# Altium PCB Freezer_Controller.PcbDoc (part 1 of 3) (continued)
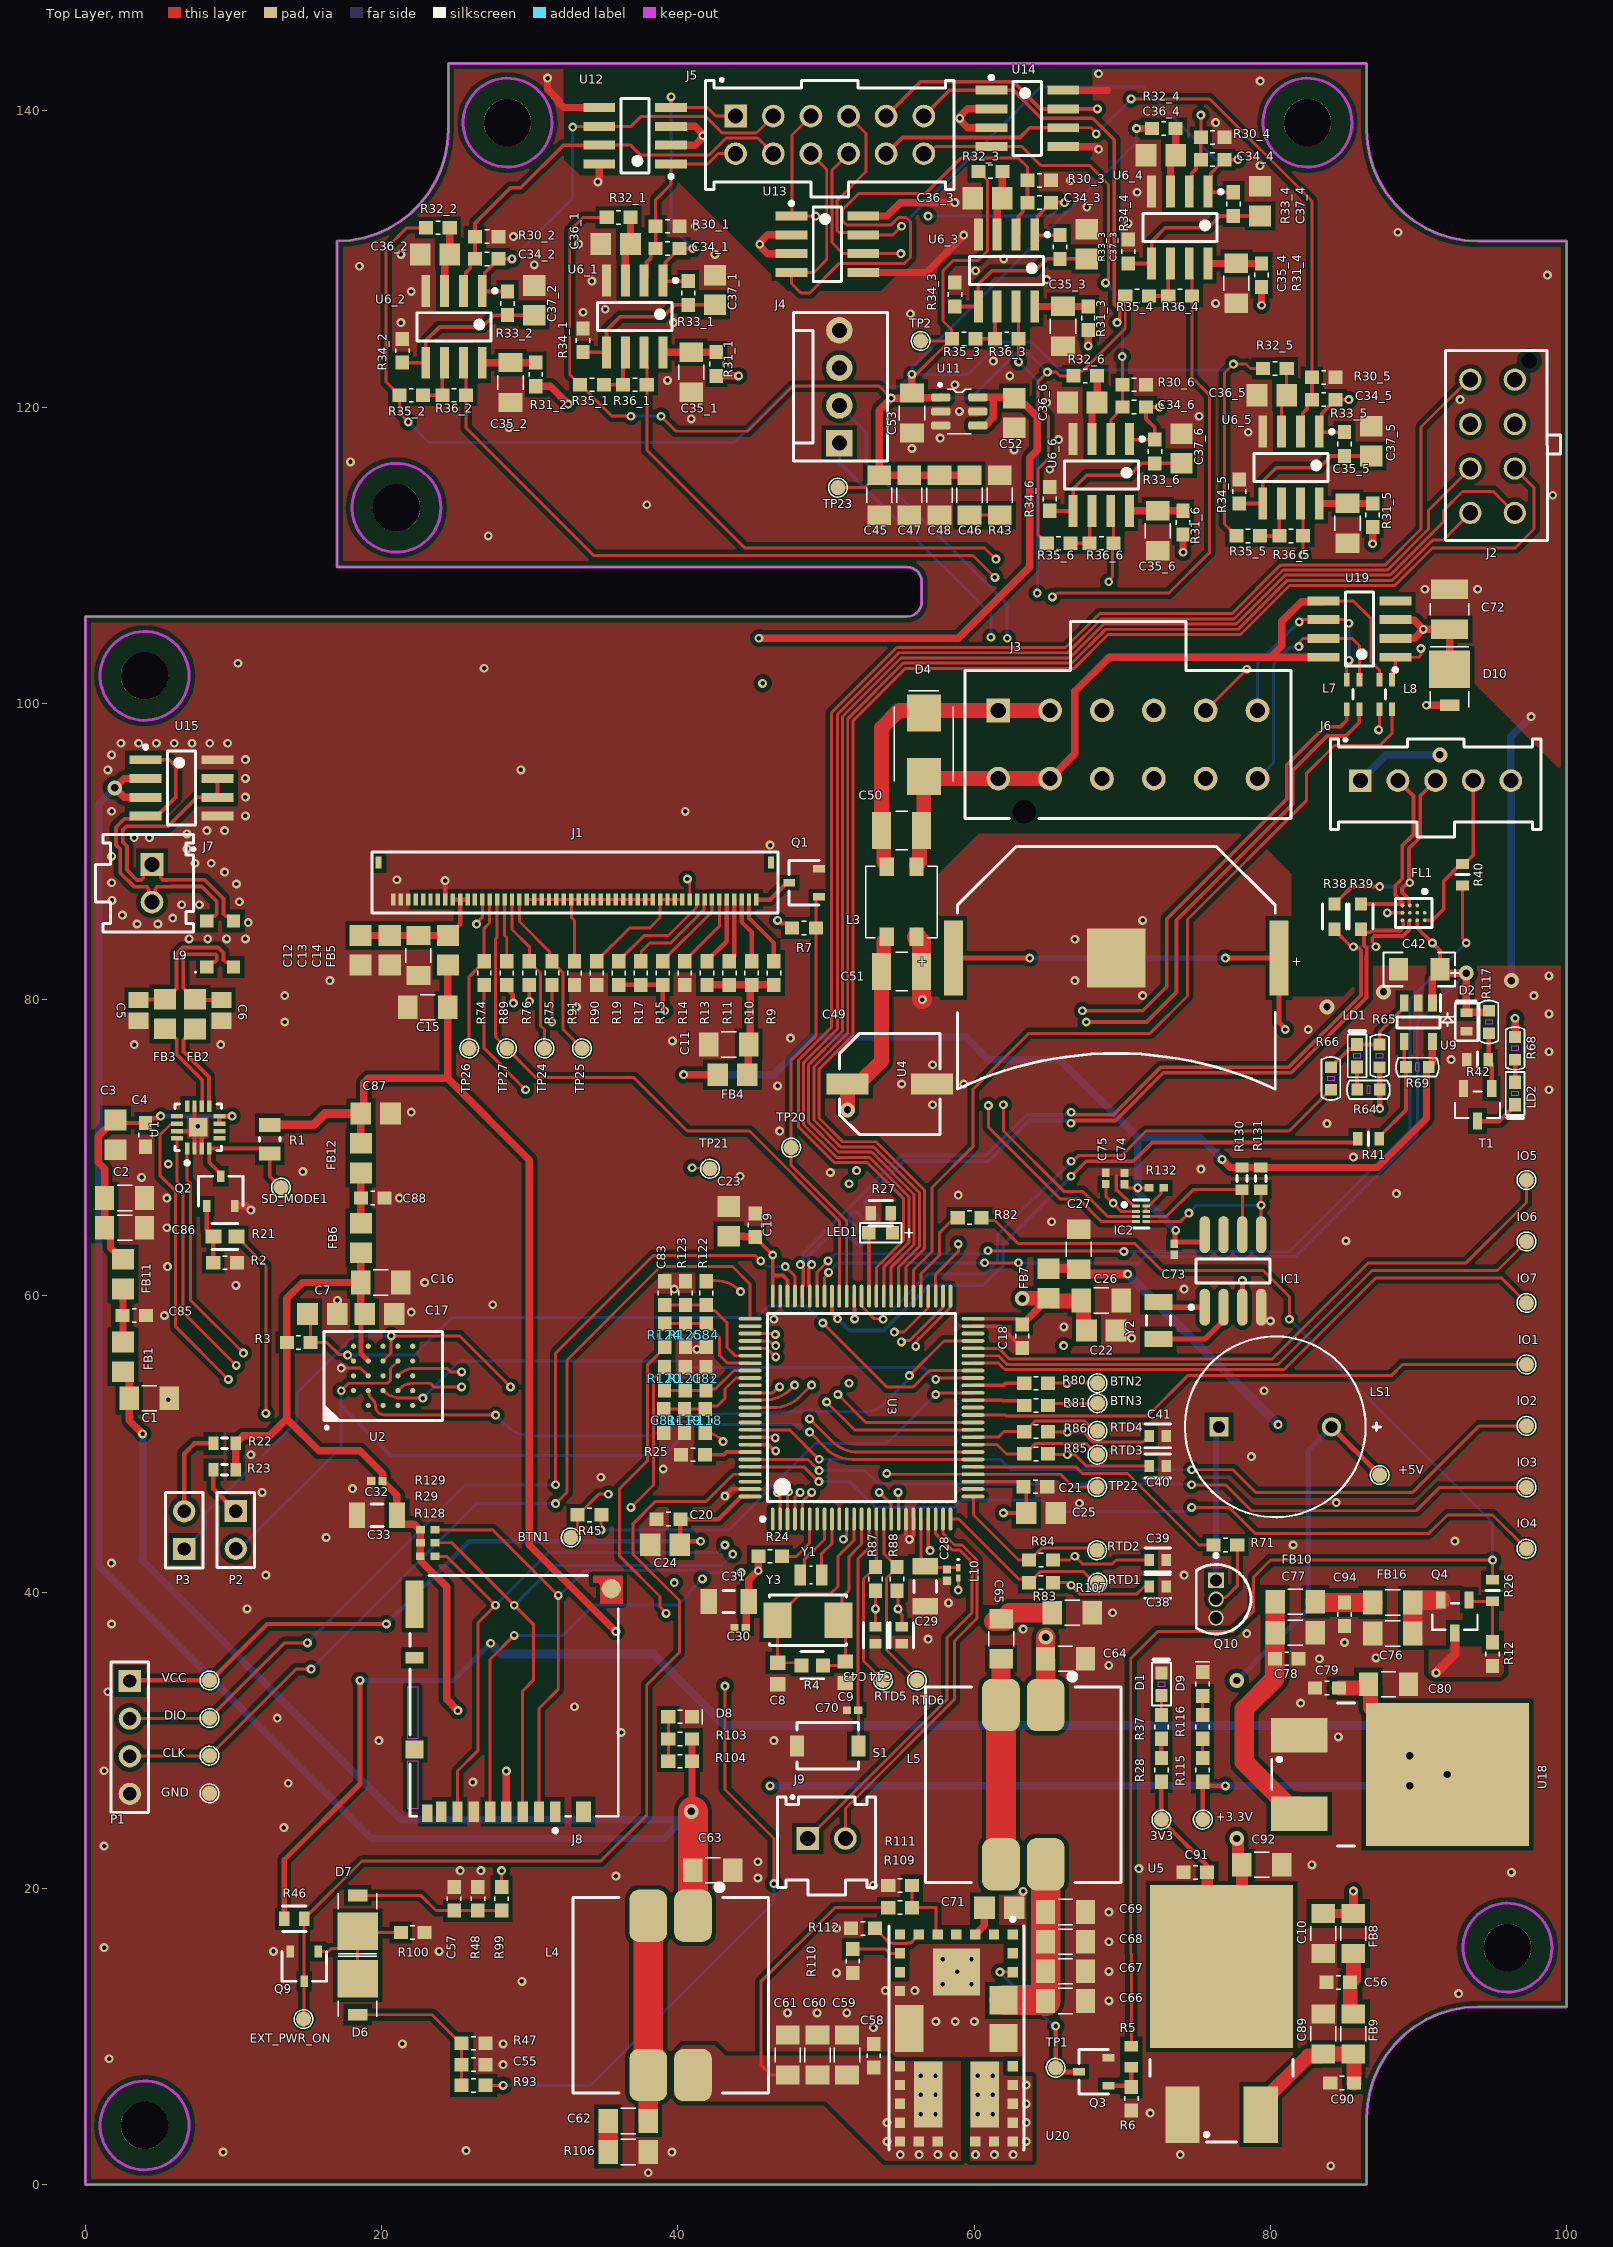
[diagram p0: Top Layer view]
## Components (designator, comment, footprint, x,y, rotation, side; value= is the part's Value field where it differs from the comment) (continued)
GND "2mm" "TEST POINT 40 Mil" 8.382,26.416 r90 top
IC1 "DS1307Z+" S8-2_M 77.47,61.681 r90 top
IC2 "PCA9306DQER" FP-DQE0008A-MFG 71.266,65.528 r0 top
IO1 "2mm" "TEST POINT 40 Mil" 97.282,55.372 r90 top
IO2 "2mm" "TEST POINT 40 Mil" 97.282,51.223 r180 top
IO3 "2mm" "TEST POINT 40 Mil" 97.282,47.075 r180 top
IO4 "2mm" "TEST POINT 40 Mil" 97.282,42.926 r180 top
IO5 "2mm" "TEST POINT 40 Mil" 97.282,67.818 r180 top
IO6 "2mm" "TEST POINT 40 Mil" 97.282,63.669 r180 top
IO7 "2mm" "TEST POINT 40 Mil" 97.282,59.521 r180 top
J1 "FH34SRJ-50S-0.5SH(50)" CONN_HIROSE_FH34SRJ-50S-0.5SH(50) 33.05,87.85 r0 top locked
J2 "MC-254-08-00-ST-DIP" CONN_206832-0823 94.996,117.348 r270 top
J3 "1722982212" CONN_MOLEX_1722982212 70.39,97.215 r0 top locked
J4 "Hdr 4w T/H 0.1\"" CONN_HDR_FRICTION_LOCK_2.54MM_4 50.9,117.56 r90 top
J5 "IPL1-106-01-L-D-K" CONN_SAMTEC_IPL1-106-XX-X-D 50.263,138.383 r0 top
J6 "IPL1-105-01-L-S-K" CONN_SAMTEC_IPL1-105-XX-X-S 91.163,94.538 r0 top locked
J7 "IPL1-102-01-L-S-K" CONN_SAMTEC_IPL1-102-XX-X-S 4.5,87.85 r270 top
J8 "DM3BT-DSF-PEJS" FP-DM3BT-DSF-PEJS-MFG 28.948,32.995 r180 top locked
J9 "IPL1-102-01-L-S-K" CONN_SAMTEC_IPL1-102-XX-X-S 50.038,23.368 r0 top
L3 "2.4A, 55mOhm, 420Ohm@100Mz" CHOKE_SMD_4.7X4.5 55.1,86.6 r90 top
L4 "6.6uH, 3.7A" PLCC300P1250X1250X600-4N 39.51,12.775 r270 top
L5 "6.6uH, 3.7A" PLCC300P1250X1250X600-4N 63.32,27 r270 top
L7 "90R@100Mhz" BOURNS_SRF2012 86,101.6 r270 top
L8 "90R@100Mhz" BOURNS_SRF2012 88.2,101.6 r270 top
L9 "600R@100MHz, 1A" DFN260P320X200-4L 9.1,83.75 r90 top
L10 "BLM03AX121SN1D" 0603#2 58.928,41.302 r270 top
LD1 "Red" 0603D 85.852,76.2 r90 top
LD2 "Green" 0603D 96.52,73.66 r270 top
LED1 "150060GS73220" LED0603 53.69,64.262 r180 top
LS1 "AI-1223-TWT-5V-R" FP-AI-1223-TWT-5V-R-MFG 80.325,51.156 r180 top
P1 "PPTC041LGBN-RC" HDR1X4 3,34 r270 top
P2 "Header 2" HDR1X2 10.16,45.466 r270 top
P3 "Header 2" HDR1X2 6.673,42.909 r90 top
Q1 "DMN67D8L-7" SOT23-3 48.514,87.884 r90 top
Q2 "DMN67D8L-7" SOT23-3 9.144,67.072 r0 top
Q3 "DMN67D8L-7" SOT23-3 68.072,7.62 r90 top
Q4 "BSS308PE-HXY" SOT-23 92.456,38.354 r180 top
Q9 "DMN67D8L-7" SOT23-3 14.775,14.732 r180 top
Q10 "BC547B" ONSC-TO-92-3-29-11 76.327,39.522 r270 top
R1 "CRCW0805634KFKEA" FP-CRCW0805-e3-MFG 12.446,70.571 r270 top
R2 "10k, 1%, 1/10W" 0603#1 9.435,62.23 r0 top
R3 "RT0603DRD0710KL" 0603#1 14.4,56.85 r180 top value=10K
R4 "CRCW06031M00JNEA" FP-CRCW0603-e3-IPC_B 49.069,35.052 r180 top
R5 "10R" RESC1608X55X25NL10T15 70.612,8.636 r270 top
R6 "10k, 1%, 1/10W" 0603#1 70.612,5.804 r270 top
R7 "10k, 1%, 1/10W" 0603#1 48.514,84.836 r180 top
R9 "68R, 1%, 1/10W" 0603#1 46.482,81.788 r90 top
R10 "68R, 1%, 1/10W" 0603#1 44.978,81.788 r90 top
R11 "68R, 1%, 1/10W" 0603#1 43.473,81.788 r90 top
R12 "10k, 1%, 1/10W" 0603#1 94.996,35.814 r90 top
R13 "68R, 1%, 1/10W" 0603#1 41.969,81.788 r90 top
R14 "0R, 1/10W" 0603#1 40.464,81.788 r90 top
R15 "0R, 1/10W" 0603#1 38.98,81.788 r270 top
R17 "0R, 1/10W" 0603#1 37.495,81.788 r270 top
R19 "0R, 1/10W" 0603#1 36.01,81.788 r270 top
R21 "50R" FP-RCP0603W-MFG 9.422,64.008 r180 top
R22 "RT0603DRD0710KL" J1-0603 9.398,50.038 r180 top value=10K
R23 "RT0603DRD0710KL" J1-0603 9.398,48.26 r180 top value=10K
R24 "0R, 1/10W" 0603#1 46.228,42.418 r180 top
R25 "100k, 1%, 1/10W" 0603#1 41.021,49.276 r0 top
R26 "CR0603-FX-10R0ELF" FP-CR0603-MFG 94.996,40.102 r270 top
R27 "1k" FP-MCT0603-MFG 53.69,65.576 r0 top
R28 "100R, 1%, 1/10W" 0603#1 72.644,28 r270 top
R29 "RT0402DRD0710KL" 0402 23.114,43.332 r0 top value=10K
R30_1 "1.02k, 0.1%, 1/10W" 0603#1 39.3,132.2 r180 top (schematic designator R30)
R30_2 "1.02k, 0.1%, 1/10W" 0603#1 27.1,131.5 r180 top (schematic designator R30)
R30_3 "1.02k, 0.1%, 1/10W" 0603#1 64.4,135.3 r180 top (schematic designator R30)
R30_4 "1.02k, 0.1%, 1/10W" 0603#1 76.1,138.2 r180 top (schematic designator R30)
R30_5 "1.02k, 0.1%, 1/10W" 0603#1 83.6,122 r180 top (schematic designator R30)
R30_6 "1.02k, 0.1%, 1/10W" 0603#1 70.8,121.5 r180 top (schematic designator R30)
R31_1 "10R, 1%, 1/10W" 0603#1 42.6,122.9 r90 top (schematic designator R31)
R31_2 "10R, 1%, 1/10W" 0603#1 30.4,122.2 r90 top (schematic designator R31)
R31_3 "10R, 1%, 1/10W" 0603#1 67.7,126 r90 top (schematic designator R31)
R31_4 "10R, 1%, 1/10W" 0603#1 79.4,128.9 r90 top (schematic designator R31)
R31_5 "10R, 1%, 1/10W" 0603#1 86.9,112.7 r90 top (schematic designator R31)
R31_6 "10R, 1%, 1/10W" 0603#1 74.1,112.2 r90 top (schematic designator R31)
R32_1 "10k, 1%, 1/10W" 0603#1 36,132.8 r180 top (schematic designator R32)
R32_2 "10k, 1%, 1/10W" 0603#1 23.8,132.1 r180 top (schematic designator R32)
R32_3 "10k, 1%, 1/10W" 0603#1 61.1,135.9 r180 top (schematic designator R32)
R32_4 "10k, 1%, 1/10W" 0603#1 72.8,138.8 r180 top (schematic designator R32)
R32_5 "10k, 1%, 1/10W" 0603#1 80.3,122.6 r180 top (schematic designator R32)
R32_6 "10k, 1%, 1/10W" 0603#1 67.5,122.1 r180 top (schematic designator R32)
R33_1 "10k, 0.1%, 1/10W" 0603#1 40.7,127.7 r270 top (schematic designator R33)
R33_2 "10k, 0.1%, 1/10W" 0603#1 28.5,127 r270 top (schematic designator R33)
R33_3 "10k, 0.1%, 1/10W" 0603#1 65.8,130.8 r270 top (schematic designator R33)
R33_4 "10k, 0.1%, 1/10W" 0603#1 77.5,133.7 r270 top (schematic designator R33)
R33_5 "10k, 0.1%, 1/10W" 0603#1 85,117.5 r270 top (schematic designator R33)
R33_6 "10k, 0.1%, 1/10W" 0603#1 72.2,117 r270 top (schematic designator R33)
R34_1 "19.1k, 0.1%, 1/10W" 0603#1 33.6,124.5 r270 top (schematic designator R34)
R34_2 "19.1k, 0.1%, 1/10W" 0603#1 21.4,123.8 r270 top (schematic designator R34)
R34_3 "19.1k, 0.1%, 1/10W" 0603#1 58.7,127.6 r270 top (schematic designator R34)
R34_4 "19.1k, 0.1%, 1/10W" 0603#1 70.4,130.5 r270 top (schematic designator R34)
R34_5 "19.1k, 0.1%, 1/10W" 0603#1 77.9,114.3 r270 top (schematic designator R34)
R34_6 "19.1k, 0.1%, 1/10W" 0603#1 65.1,113.8 r270 top (schematic designator R34)
R35_1 "10k, 0.1%, 1/10W" 0603#1 34.2,121.5 r0 top (schematic designator R35)
R35_2 "10k, 0.1%, 1/10W" 0603#1 22,120.8 r0 top (schematic designator R35)
R35_3 "10k, 0.1%, 1/10W" 0603#1 59.3,124.6 r0 top (schematic designator R35)
R35_4 "10k, 0.1%, 1/10W" 0603#1 71,127.5 r0 top (schematic designator R35)
R35_5 "10k, 0.1%, 1/10W" 0603#1 78.5,111.3 r0 top (schematic designator R35)
R35_6 "10k, 0.1%, 1/10W" 0603#1 65.7,110.8 r0 top (schematic designator R35)
R36_1 "19.1k, 0.1%, 1/10W" 0603#1 37.1,121.5 r0 top (schematic designator R36)
R36_2 "19.1k, 0.1%, 1/10W" 0603#1 24.9,120.8 r0 top (schematic designator R36)
R36_3 "19.1k, 0.1%, 1/10W" 0603#1 62.2,124.6 r0 top (schematic designator R36)
R36_4 "19.1k, 0.1%, 1/10W" 0603#1 73.9,127.5 r0 top (schematic designator R36)
R36_5 "19.1k, 0.1%, 1/10W" 0603#1 81.4,111.3 r0 top (schematic designator R36)
R36_6 "19.1k, 0.1%, 1/10W" 0603#1 68.6,110.8 r0 top (schematic designator R36)
R37 "100R, 1%, 1/10W" 0603#1 72.644,30.9 r90 top
R38 "RT0603BRD0722RL" FP-RT0603-MFG 84.328,85.598 r90 top value=22Ω
R39 "RT0603BRD0722RL" FP-RT0603-MFG 86.106,85.598 r90 top value=22Ω
R40 "CR0603-J/-000ELF" FP-CR0603-MFG 92.964,88.429 r90 top
R41 "CR0603-J/-000ELF" FP-CR0603-MFG 86.614,70.612 r0 top
R42 "ERA-3AEB223V" FP-ERA3A-MFG 93.98,75.946 r180 top
R43 "2R, 1%, 1/4W" 1206 61.722,114.046 r270 top
R45 "100R, 1%, 1/10W" 0603#1 34.036,45.212 r0 top
R46 "1k" FP-MCT0603-MFG 14.1,17.95 r180 top
R47 "26.7k, 1%, 1/10W" 0603#1 26.2,9.55 r180 top
R48 "26.7k, 1%, 1/10W" 0603#1 26.496,19.3 r270 top
R64 "620" 0603R 86.614,73.914 r0 top value=1K
R65 "47K" 0603R 87.376,76.2 r90 top value=1K
R66 "0" 0603R 84.074,74.676 r90 top value=1K
R68 "330" 0603R 96.52,76.708 r90 top value=1K
R69 "47K" 0603R 89.916,75.438 r0 top value=1K
R71 "10k, 1%, 1/10W" 0603#1 76.962,43.18 r0 top
R74 "0R, 1/10W" 0603#1 26.924,81.788 r90 top
R75 "0R, 1/10W" 0603#1 31.497,81.788 r90 top
R76 "0R, 1/10W" 0603#1 29.973,81.788 r90 top
R80 "100R, 1%, 1/10W" 0603#1 64.183,54.102 r180 top
R81 "100R, 1%, 1/10W" 0603#1 64.183,52.596 r180 top
R82 "0R, 1/10W" 0603#1 59.69,65.278 r180 top
R83 "10k, 1%, 1/10W" 0603#1 64.516,40.64 r180 top
R84 "10k, 1%, 1/10W" 0603#1 64.516,42.164 r180 top
R85 "10k, 1%, 1/10W" 0603#1 64.183,49.329 r180 top
R86 "10k, 1%, 1/10W" 0603#1 64.183,50.836 r180 top
R87 "10k, 1%, 1/10W" 0603#1 53.34,40.894 r90 top
R88 "10k, 1%, 1/10W" 0603#1 54.79,40.894 r90 top
R89 "0R, 1/10W" 0603#1 28.448,81.788 r90 top
R90 "0R, 1/10W" 0603#1 34.525,81.788 r90 top
R91 "0R, 1/10W" 0603#1 33.021,81.788 r270 top
R93 "100k, 1%, 1/10W" 0603#1 26.2,6.7 r180 top
R99 "100k, 1%, 1/10W" 0603#1 28.1,19.3 r270 top
R100 "10k, 1%, 1/10W" 0603#1 22.098,17.018 r0 top
R103 "100R, 1%, 1/10W" 0603#1 40.151,30.085 r0 top
R104 "100R, 1%, 1/10W" 0603#1 40.151,28.584 r0 top
R106 "2R, 1%, 1/4W" 1206 36.65,2.2 r180 top
R107 "2R, 1%, 1/4W" 1206 66.628,38.608 r180 top
R109 "191k, 1%, 1/10W" 0603#1 55,18.7 r180 top
R110 "DNP" 0603#1 51.8,15.1 r90 top value="0R, 1/10W"
R111 "42.2k, 1%, 1/10W" 0603#1 55,20.2 r0 top
R112 "26.7k, 1%, 1/10W" 0603#1 52.5,17.3 r0 top
R115 "100R, 1%, 1/10W" 0603#1 75.42,28 r270 top
R116 "100R, 1%, 1/10W" 0603#1 75.42,30.9 r90 top
R117 "47K" 0603R 94.742,78.486 r270 top value=1K
R118 "100k, 1%, 1/10W" 0603#1 41.847,51.553 r90 top
R119 "15k, 1%, 1/10W" 0603#1 40.447,51.553 r90 top
R120 "100k, 1%, 1/10W" 0603#1 39.097,54.404 r270 top
R121 "15k, 1%, 1/10W" 0603#1 40.497,54.404 r270 top
R122 "100k, 1%, 1/10W" 0603#1 41.916,60.183 r270 top
R123 "15k, 1%, 1/10W" 0603#1 40.516,60.183 r270 top
R124 "100k, 1%, 1/10W" 0603#1 39.116,57.333 r90 top
R125 "26.7k, 1%, 1/10W" 0603#1 40.516,57.333 r90 top
R128 "RT0402DRD0710KL" 0402 23.106,42.418 r0 top value=10K
R129 "RT0402DRD0710KL" 0402 23.114,44.196 r0 top value=10K
R130 "RT0603DRD0710KL" J1-0603 78.08,67.913 r270 top value=10K
R131 "RT0603DRD0710KL" J1-0603 79.35,67.913 r90 top value=10K
R132 "CPF0402B200KE" 0402 72.298,67.285 r0 top value=200K
RTD1 "2mm" "TEST POINT 40 Mil" 68.326,40.64 r90 top
RTD2 "2mm" "TEST POINT 40 Mil" 68.301,42.824 r90 top
RTD3 "2mm" "TEST POINT 40 Mil" 68.326,49.276 r90 top
RTD4 "2mm" "TEST POINT 40 Mil" 68.326,50.885 r90 top
RTD5 "2mm" "TEST POINT 40 Mil" 53.848,34.036 r90 top
RTD6 "2mm" "TEST POINT 40 Mil" 56.134,34.036 r90 top
S1 "TL1015AF160QG" FP-TL1015AF160QG-MFG 50.114,29.619 r180 top
SD_MODE1 "2mm" "TEST POINT 40 Mil" 13.208,67.31 r90 top
T1 "9013" SOT-23 93.98,72.898 r180 top
TP1 "Test Point" "TEST POINT 40 Mil" 65.5,7.887 r90 top
TP2 "2mm" "TEST POINT 40 Mil" 56.388,124.46 r90 top
TP20 "2mm" "TEST POINT 40 Mil" 47.647,70.003 r90 top
TP21 "2mm" "TEST POINT 40 Mil" 42.164,68.58 r90 top
TP22 "2mm" "TEST POINT 40 Mil" 68.301,47.092 r90 top
TP23 "2mm" "TEST POINT 40 Mil" 50.8,114.554 r90 top
TP24 "2mm" "TEST POINT 40 Mil" 30.988,76.708 r180 top
TP25 "2mm" "TEST POINT 40 Mil" 33.528,76.708 r180 top
TP26 "2mm" "TEST POINT 40 Mil" 25.908,76.708 r180 top
TP27 "2mm" "TEST POINT 40 Mil" 28.448,76.708 r90 top
U1 "MAX98357AETE+T" FP-T1633-4-MFG 7.62,71.374 r90 top
U2 "MT25QL512ABB8E12-0AUT" BGA24C100P5X5_600X800X120 20.1,54.6 r90 top
U3 "STM32L476VGT6" STM-LQFP100_L 52.4,52.456 r90 top locked
U4 "3034" FP-3034-MFG 69.596,82.134 r180 top
U5 "LD1085D2T33R" D2PAK 76.708,9.732 r90 top
U6_1 "LM2904QS-13" SOIC127P600X163-8N 37.1,126.1 r270 top (schematic designator U6)
U6_2 "LM2904QS-13" SOIC127P600X163-8N 24.9,125.4 r270 top (schematic designator U6)
U6_3 "LM2904QS-13" SOIC127P600X163-8N 62.2,129.2 r270 top (schematic designator U6)
U6_4 "LM2904QS-13" SOIC127P600X163-8N 73.9,132.1 r270 top (schematic designator U6)
U6_5 "LM2904QS-13" SOIC127P600X163-8N 81.4,115.9 r270 top (schematic designator U6)
U6_6 "LM2904QS-13" SOIC127P600X163-8N 68.6,115.4 r270 top (schematic designator U6)
U9 "STMPS2151STR" SOT23-5N 89.982,78.456 r270 top
U11 "MCP1501T-10E/CHY" SOT23-6 59,119.7 r0 top
U12 "STSP84050U800" SOIC127P600X163-8N 37.1,138.3 r180 top
U13 "STSP84050U800" SOIC127P600X163-8N 50.1,131 r0 top
U14 "STSP84050U800" SOIC127P600X163-8N 63.6,139.5 r0 top
U15 "STSP84050U800" SOIC127P600X163-8N 6.5,94.3 r0 top
U18 "LD1085D2T33R" D2PAK 86.948,27.686 r0 top
U19 "STSP84050U800" SOIC127P600X163-8N 86,105 r180 top
U20 "MAXM17503ALJ+" FP-L32915-3-MFG 58.8,9.9 r270 top
VCC "2mm" "TEST POINT 40 Mil" 8.382,34.036 r90 top
Y1 "ECS-.327-9-12R-TR" ABS0612732768KHZT 48.985,41.148 r0 top
Y2 "ABS07-32.768KHZ-T" FP-ABS07-MFG 72.441,58.338 r90 top
Y3 "8MHz" FP-ABM3-MFG 48.786,38.1 r180 top

## Footprints (in the part's own frame and the unit in brackets; to place one, negate y for a bottom-side part, rotate by r counter-clockwise, add the part's x,y. Pads: shape width x height; smd on the part's side, far side on the other; paste and mask are expansions set on the pad)
0402 [mm] "Chip Capacitor, Body 1.0x0.5mm, IPC High Density"
  rect 0.6x0.5 smd: 1(-0.5,0) 2(0.5,0)
  body extent -0.55,-0.3 0.55,0.3, height 1.3
0603#1 [mm] "Chip Capacitor, 2-Leads, Body 1.60x0.80mm, IPC Medium Density"
  rect 0.95x0.9 smd: 1(-0.8,0) 2(0.8,0)
  silkscreen extent -0.15,-0.45 0.15,0.45, body extent -0.85,-0.45 0.85,0.45, height 0.6
0603#2 [mm] "Chip Inductor, Body 0.6x0.3mm, IPC High Density"
  rect 0.5x0.3 smd: 1(-0.35,0) 2(0.35,0)
  silkscreen extent -0.9,-0.05 -0.9,0.05, body extent -0.33,-0.18 0.33,0.18, height 0.55
0603_DIODE_K1A2 [mm] "Chip Capacitor, 2-Leads, Body 1.60x0.80mm, IPC Medium Density"
  rect 0.95x0.9 smd: 1(-0.8,0) 2(0.8,0)
  silkscreen extent -0.15,-0.5 1.5,0.5, body extent -0.85,-0.45 0.85,0.45, height 0.6
0603D [mil] "0603D"
  rect 35x32 smd: 1(-30,0) 2(30,0)
  Top Layer keep-out region: -5,-10 5,-10 5,10 -5,10
  silkscreen extent -57,-25 65,25, body extent -50,-20 50,20, height 20
0603R [mil] "0603R"
  rect 31x32 smd: 1(-30,0) 2(30,0)
  Top Layer keep-out region: -5,10 -5,-10 5,-10 5,10
  silkscreen extent -57,-25 57,25, body extent -50,-20 50,20, height 25
0805 [mm] "Generic 0805 Footprint"
  rect 1.4x1.5 smd: 1(-1,0) 2(1,0)
  body extent -1.01,-0.62 0.99,0.63, height 0.45
1206 [mm] "Generic 1206"
  rect 1.3x1.6 smd: 1(-1.35,0) 2(1.35,0)
  silkscreen extent -0.5,-0.85 0.5,0.85, body extent -1.6,-0.81 1.6,0.81, height 0.57
1210 [mm] "Generic 1210"
  rect 1.3x2.5 smd: 1(-1.35,0) 2(1.35,0)
  silkscreen extent -0.4,-1.3 0.4,1.3, body extent -1.6,-1.25 1.6,1.25, height 0.55
ABS0612732768KHZT [mm]
  rect 0.75x1.4 smd: 1(-0.725,0) 2(0.725,0)
  silkscreen extent -0.1,-0.6 0.1,0.6, body extent -1,-0.6 1,0.6, height 0.6
BGA24C100P5X5_600X800X120 [mm] "BGA, 24-Leads, Body 6.00x8.00mmx1.20mm, Pitch 1.00mm"
  round 0.35 smd mask+0.051: A2(-1,2) A3(0,2) A4(1,2) A5(2,2) B1(-2,1) B2(-1,1) B3(0,1) B4(1,1) B5(2,1) C1(-2,0) C2(-1,0) C3(0,0) C4(1,0) C5(2,0) D1(-2,-1) D2(-1,-1) D3(0,-1) D4(1,-1) D5(2,-1) E1(-2,-2) E2(-1,-2) E3(0,-2) E4(1,-2) E5(2,-2)
  silkscreen extent -3.6,-4 3,4, body extent -3,-4 3,4, height 1.2
BOURNS_SRF2012 [mm] "Bourns Common Mode Choke"
  rect 0.9x0.4 smd: 1(0,0) 2(2,0) 3(2,-0.85) 4(0,-0.85)
  silkscreen extent 0.67,-0.42 1.33,-0.42, body extent 0,-1.02 2,0.18, height 1.2
C1206 [mm] "Chip Capacitor, Body 3.2x1.6mm, IPC High Density"
  rect 1.1x1.7 smd: 1(-1.35,0) 2(1.35,0)
  silkscreen extent -0.4,-0.75 0.4,0.75, body extent -1.7,-0.9 1.7,0.9, height 1.3
CAPAE7866X80L [mm] "Aluminum Electrolytic Capacitor, Body 6.60x6.60x8.00mm, IPC High Density"
  rect 2.85x1.4 smd: 1(-2.85,0) 2(2.85,0)
  silkscreen extent -3.4,-3.4 3.4,3.4, body extent -3.9,-3.4 3.9,3.4, height 8
CAPC1005X55X30LL05T10 [mm] "Chip Capacitor, 2-Leads, Body 1.00x0.50mm, IPC High Density"
  rect 0.56x0.52 smd: 1(-0.38,0) 2(0.38,0)
  body extent -0.53,-0.28 0.53,0.28, height 0.55
CAPC1608X90X35ML10T15 [mm] "Chip Capacitor, 2-Leads, Body 1.60x0.80mm, IPC Low Density"
  rect 0.95x1.05 smd: 1(-0.725,0) 2(0.725,0)
  body extent -0.85,-0.45 0.85,0.45, height 0.9
CAPC2013X88X50LL20T25 [mm] "Chip Capacitor, 2-Leads, Body 2.00x1.25mm, IPC High Density"
  rect 1.1x1.35 smd: 1(-0.7,0) 2(0.7,0)
  body extent -1.1,-0.72 1.1,0.72, height 0.88
CHOKE_SMD_4.7X4.5 [mm]
  rect 1.25x0.95 smd: 1(-2.375,1) 2(-2.375,-1) 3(2.375,-1) 4(2.375,1)
  silkscreen extent -2.41,-2.41 2.41,2.41, body extent -2.35,-2.29 2.35,2.29, height 2
CONN_206832-0823 [mm]
  round 0 hole 1.05 unplated: 0(-5.78,2.48)
  round 1.5 hole 1.05: 1(-4.5,1.5) 2(-4.5,-1.5) 3(-1.5,1.5) 4(-1.5,-1.5) 5(1.5,1.5) 6(1.5,-1.5) 7(4.5,1.5) 8(4.5,-1.5)
  silkscreen extent -6.48,-3.18 6.37,4.57, body extent -6.43,-3.43 6.43,4.83, height 9.95
CONN_HDR_FRICTION_LOCK_2.54MM_4 [mil]
  rect 70x70 hole 40: 1(0,0)
  round 70 hole 40: 2(100,0) 3(200,0) 4(300,0)
  silkscreen extent -47,-128 347,122, body extent -47,-128 347,122, height 420
CONN_HIROSE_FH34SRJ-50S-0.5SH(50) [mm]
  rect 0.4x0.8 smd: 0(-13.25,1.4) 0(13.25,1.4)
  rect 0.3x0.8 smd mask+0: 1(12.25,-1.1) 2(11.75,-1.1) 3(11.25,-1.1) 4(10.75,-1.1) 5(10.25,-1.1) 6(9.75,-1.1) 7(9.25,-1.1) 8(8.75,-1.1) 9(8.25,-1.1) 10(7.75,-1.1) 11(7.25,-1.1) 12(6.75,-1.1) 13(6.25,-1.1) 14(5.75,-1.1) 15(5.25,-1.1) 16(4.75,-1.1) 17(4.25,-1.1) 18(3.75,-1.1) 19(3.25,-1.1) 20(2.75,-1.1) 21(2.25,-1.1) 22(1.75,-1.1) 23(1.25,-1.1) 24(0.75,-1.1) 25(0.25,-1.1) 26(-0.25,-1.1) 27(-0.75,-1.1) 28(-1.25,-1.1) 29(-1.75,-1.1) 30(-2.25,-1.1) 31(-2.75,-1.1) 32(-3.25,-1.1) 33(-3.75,-1.1) 34(-4.25,-1.1) 35(-4.75,-1.1) 36(-5.25,-1.1) 37(-5.75,-1.1) 38(-6.25,-1.1) 39(-6.75,-1.1) 40(-7.25,-1.1) 41(-7.75,-1.1) 42(-8.25,-1.1) 43(-8.75,-1.1) 44(-9.25,-1.1) 45(-9.75,-1.1) 46(-10.25,-1.1) 47(-10.75,-1.1) 48(-11.25,-1.1) 49(-11.75,-1.1) 50(-12.25,-1.1)
  silkscreen extent -13.7,-2 13.7,2.1, body extent -13.5,-1.9 13.5,1.9, height 1.01
CONN_MOLEX_1722982212 [mm]
  round 1.5 hole 1.6 unplated: 0(-7.013,-4.53)
  rect 1.6x1.6 hole 1.02: 1(-8.763,2.3)
  round 1.6 hole 1.02: 2(-5.263,2.3) 3(-1.763,2.3) 4(1.737,2.3) 5(5.237,2.3) 6(8.737,2.3) 7(-8.763,-2.3) 8(-5.263,-2.3) 9(-1.763,-2.3) 10(1.737,-2.3) 11(5.237,-2.3) 12(8.737,-2.3)
  silkscreen extent -11,-5 11,8.31, body extent -11.51,-5.93 11.49,7.98, height 14.01
CONN_SAMTEC_IPL1-102-XX-X-S [mm]
  rect 1.53x1.53 hole 1.02: 1(-1.27,0)
  round 1.53 hole 1.02: 2(1.27,0)
  silkscreen extent -3.3,-3.81 3.3,2.9, body extent -3.28,-3.81 3.32,2.79, height 8.14
CONN_SAMTEC_IPL1-105-XX-X-S [mm]
  rect 1.53x1.53 hole 1.02: 1(-5.093,0.237)
  round 1.53 hole 1.02: 2(-2.553,0.237) 3(-0.013,0.237) 4(2.527,0.237) 5(5.067,0.237)
  silkscreen extent -7.12,-3.57 7.1,3.1, body extent -7.12,-3.57 7.1,3.03, height 8.14
CONN_SAMTEC_IPL1-106-XX-X-D [mm]
  rect 1.53x1.53 hole 1.02: 1(-6.363,1.257)
  round 1.53 hole 1.02: 2(-3.823,1.257) 3(-1.283,1.257) 4(1.257,1.257) 5(3.797,1.257) 6(6.337,1.257) 7(-6.363,-1.283) 8(-3.823,-1.283) 9(-1.283,-1.283) 10(1.257,-1.283) 11(3.797,-1.283) 12(6.337,-1.283)
  silkscreen extent -8.39,-4.21 8.37,3.8, body extent -8.39,-4.2 8.37,3.67, height 8.14
D2PAK [mm] "D2-PAK, 7-Pads, Body 7.93x8.69mm (max), IPC Medium Density"
  rect 3.81x2.32 smd: 1(-5,2.64) 3(-5,-2.64)
  rect 11x9.65 smd: 2(5,0)
  silkscreen extent -6.86,-4.83 -1.27,4.83, body extent -6.02,-5 9.65,5, height 4.81
DFN260P320X200-4L [mm] "DFN, 4-Leads, Body 2.50x3.20mm, Pitch 2.60mm, IPC High Density"
  rect 0.9x0.9 smd: 1(-1.55,-0.9) 2(1.55,-0.9) 3(1.55,0.9) 4(-1.55,0.9)
  silkscreen extent -1.95,1.6 -1.86,1.7, body extent -1.7,-1.35 1.75,1.35, height 2
DO_2SM_1R6X1_21 [mil] "DO_2SM_1R6X1_21"
  rect 22x31 smd: 1(-24.61,0.5) 2(24.61,0.5)
  silkscreen extent -55,-68 50,31, body extent -39,-20 39,20, height 25
FP-3034-MFG [mm]
  rect 1.27x5.08 smd paste+0 mask+0: 1(-10.985,-0.67) 2(10.985,-0.67)
  rect 3.96x3.96 smd paste-1000 mask+0: 3(0,-0.67)
  silkscreen extent -10.73,-8.19 10.73,8.19, body extent -11.72,-8.28 11.72,8.28, height 0.25
FP-ABM3-MFG [mm]
  rect 1.9x2.4 smd paste+0 mask+0: 1(-2.05,0) 2(2.05,0)
  silkscreen extent -2.6,-1.7 2.6,1.7, body extent -3.1,-1.8 3.1,1.8, height 0.25
FP-ABS07-MFG [mm]
  rect 1.1x1.9 smd paste+0 mask+0: 1(-1.25,0) 2(1.25,0)
  silkscreen extent -0.33,-0.8 0.33,0.8, body extent -1.9,-1.05 1.9,1.05, height 0.25
FP-AI-1223-TWT-5V-R-MFG [mm]
  rect 1.3x1.3 hole 0.8 paste-1000 mask+0: 1(3.8,0)
  round 1.3 hole 0.8 paste-1000 mask+0: 2(-3.8,0)
  silkscreen extent -7.1,-6.1 6.1,6.1, body extent -6.2,-6.2 6.2,6.2, height 0.25
FP-CL10B105KO8NNNC-MFG [mm]
  rect 0.625x0.825 smd paste+0 mask+0: 1(-0.575,0) 2(0.575,0)
  silkscreen extent -0.85,-0.8 0.85,0.8, body extent -0.99,-0.55 0.99,0.55, height 0.25
FP-CR0603-MFG [mm]
  rect 0.65x0.9 smd paste+0 mask+0: 1(-0.725,0) 2(0.725,0)
  silkscreen extent 0,-0.45 0,0.45, body extent -1.15,-0.55 1.15,0.55, height 0.25
FP-CRCW0603-e3-IPC_B [mm]
  rect 0.935x0.962 smd paste+0 mask+0: 1(-0.715,0) 2(0.715,0)
  silkscreen extent -0.75,-0.95 0.75,0.9, body extent -1.43,-0.73 1.43,0.73, height 0.25
FP-CRCW0805-e3-MFG [mm]
  rect 0.95x1.45 smd paste+0 mask+0: 1(-0.975,0) 2(0.975,0)
  silkscreen extent -0.13,-0.7 0.13,0.7, body extent -1.55,-0.82 1.55,0.82, height 0.25
FP-DM3BT-DSF-PEJS-MFG [mm]
  rect 0.7x1.4 smd paste+0 mask+0: 1(-2.775,7.825) 2(-1.675,7.825) 3(-0.575,7.825) 4(0.525,7.825) 5(1.625,7.825) 6(2.725,7.825) 7(3.825,7.825) 8(4.925,7.825)
  rect 0.7x1.2 smd paste+0 mask+0: 9(5.875,7.925)
  rect 1.2x0.8 smd paste+0 mask+0: 10(6.725,-2.575)
  rect 1x1.4 smd paste+0 mask+0: 11(-4.675,7.825)
  rect 1.2x1.2 smd paste+0 mask+0: 12(6.725,3.625)
  round 1.311 smd paste+0 mask+0: 13(-6.553,-7.234)
  rect 1.2x3.2 smd paste+0 mask+0: 14(6.725,-6.175)
  Top Layer region: -7.325,-8.125 -7.325,-6.225 -5.825,-6.225 -5.825,-7.475 -5.675,-7.625 -5.325,-7.625 -5.325,-8.125
  Keep-Out Layer region: 6.475,4.42 7.225,4.42 7.225,7.577 6.475,7.577
  Keep-Out Layer region: 6.475,-0.575 7.225,-0.575 7.225,2.845 6.475,2.845
  silkscreen extent -7.02,-8.13 7.02,9.22, body extent -7.42,-8.23 7.42,8.62, height 0.25
FP-DQE0008A-MFG [mm]
  rect 0.53x0.2 smd paste-1000 mask+0: 1(-0.35,0.525) 2(-0.35,0.175) 3(-0.35,-0.175) 4(-0.35,-0.525) 5(0.35,-0.525) 6(0.35,-0.175) 7(0.35,0.175) 8(0.35,0.525)
  silkscreen extent -1.25,-0.95 0.55,0.95, body extent -0.7,-0.82 0.7,0.82, height 0.25
FP-EMIF02-USB03F2-MFG [mm]
  round 0.25 smd paste-1000 mask-1000: A2(0,0.75) A3(0.5,0.75) B1(-0.5,0.25) B2(0,0.25) B3(0.5,0.25) C1(-0.5,-0.25) C2(0,-0.25) C3(0.5,-0.25) D1(-0.5,-0.75) D2(0,-0.75) D3(0.5,-0.75)
  silkscreen extent -1.56,-1.23 0.98,1.23, body extent -0.72,-0.97 0.72,0.97, height 0.72
FP-ERA3A-MFG [mm]
  rect 0.65x0.9 smd paste+0 mask+0: 1(-0.725,0) 2(0.725,0)
  silkscreen extent 0,-0.5 0,0.5, body extent -1.15,-0.6 1.15,0.6, height 0.25
FP-L32915-3-MFG [mm]
  rect 0.7x0.7 smd paste+0 mask+0: 1(-6.985,3.81) 2(-6.985,2.54) 3(-6.985,1.27) 4(-6.985,0) 5(-6.985,-1.27) 6(-6.985,-2.54) 7(-6.985,-3.81) 8(-5.715,-3.81) 9(-4.445,-3.81) 10(-3.175,-3.81) 12(1.905,-3.81) 13(3.175,-3.81) 14(4.445,-3.81) 15(5.715,-3.81) 16(6.985,-3.81) 17(6.985,-2.54) 18(6.985,-1.27) 19(6.985,1.27) 20(6.985,2.54) 21(6.985,3.81) 22(5.715,3.81) 23(4.445,3.81) 24(3.175,3.81) 25(1.905,3.81) 28(-4.445,3.81) 29(-5.715,3.81)
  rect 3.19x1.92 smd paste+0 mask+0: 11(-0.64,-3.18)
  rect 1.92x1.92 smd paste+0 mask+0: 26(0,3.18) 27(-2.54,3.18)
  rect 3.19x3.19 smd paste+0 mask+0: 30(-4.45,0)
  rect 4.46x1.92 smd paste+0 mask+0: 31(3.81,1.905) 32(3.81,-1.905)
  silkscreen extent -8.15,-4.55 7.55,4.55, body extent -8.05,-5.05 8.05,5.05, height 0.25
FP-MCT0603-MFG [mm]
  rect 0.7x0.95 smd paste+0 mask+0: 1(-0.675,0) 2(0.675,0)
  silkscreen extent -0.8,-0.85 0.8,0.85, body extent -1.12,-0.58 1.12,0.58, height 0.25
FP-RCP0603W-MFG [mm]
  rect 1.09x0.94 smd paste+0 mask+0: 1(-0.775,0) 2(0.775,0)
  silkscreen extent -0.86,-0.87 0.86,0.87, body extent -1.42,-0.57 1.42,0.57, height 0.25
FP-RT0603-MFG [mm]
  rect 0.9x0.8 smd paste+0 mask+0: 1(-0.85,0) 2(0.85,0)
  silkscreen extent -0.85,-0.81 0.86,0.8, body extent -1.4,-0.55 1.4,0.55, height 0.25
FP-T1633-4-MFG [mm]
  rect 0.8x0.3 smd paste+0 mask+0: 1(-1.425,0.75) 2(-1.425,0.25) 3(-1.425,-0.25) 4(-1.425,-0.75) 9(1.425,-0.75) 10(1.425,-0.25) 11(1.425,0.25) 12(1.425,0.75)
  rect 0.3x0.8 smd paste+0 mask+0: 5(-0.75,-1.425) 6(-0.25,-1.425) 7(0.25,-1.425) 8(0.75,-1.425) 13(0.75,1.425) 14(0.25,1.425) 15(-0.25,1.425) 16(-0.75,1.425)
  rect 1.23x1.23 smd paste+0 mask+0: 17(0,0)
  silkscreen extent -2.52,-1.58 1.58,1.58, body extent -1.92,-1.92 1.92,1.92, height 0.25
FP-TL1015AF160QG-MFG [mm]
  rect 0.95x1.4 smd paste+0 mask+0: 1(-2.075,0) 2(2.075,0)
  silkscreen extent -2.07,-1.58 2.07,1.58, body extent -2.65,-1.68 2.65,1.68, height 0.25
HDR1X2 [mm] "Connector; Header; 2 Position"
  rect 1.5x1.5 hole 0.9: 1(0,0)
  round 1.5 hole 0.9: 2(2.54,0)
  silkscreen extent -1.27,-1.27 3.81,1.27
HDR1X4 [mm] "Connector; Header; 4 Position"
  rect 1.5x1.5 hole 0.9: 1(0,0)
  round 1.5 hole 0.9: 2(2.54,0) 3(5.08,0) 4(7.62,0)
  silkscreen extent -1.27,-1.27 8.89,1.27
J1-0603 [mm] "Chip Resistor, Body 1.6x0.8mm, IPC High Density"
  rect 0.7x0.9 smd: 1(-0.75,0) 2(0.75,0)
  silkscreen extent -0.2,-0.35 0.2,0.35, body extent -0.85,-0.48 0.85,0.48, height 0.9
LED0603 [mm]
  rect 0.9x0.9 smd: 1(-0.8,0) 2(0.8,0)
  silkscreen extent -2.16,-0.65 1.4,0.65, body extent -0.78,-0.39 0.82,0.41, height 0.4
ONSC-TO-92-3-29-11 [mm] "TO, 3-Leads, Body Dia 4.7mm, Pitch 1.27mm"
  rect 1.05x1.05 hole 0.8: 1(-1.27,0)
  round 1.05 hole 0.8: 2(0,0) 3(1.27,0)
  silkscreen extent -3.07,-1.34 2.35,2.35, body extent -2.35,-1.33 2.36,2.36, height 7.87
PLCC300P1250X1250X600-4N [mm] "Leaded Chip Carrier, 4-Leads, Body 12.50x12.50mm, Pitch 3.000mm, IPC Medium Density"
  rrect50% 3.53x2.54 smd: 1(-5.375,1.51) 2(-5.375,-1.51) 3(5.375,-1.51) 4(5.375,1.51)
  silkscreen extent -7.5,-6.6 6.6,6.6, body extent -6.45,-6.45 6.45,6.45, height 6
RESC1608X55X25NL10T15 [mm] "Chip Resistor, 2-Leads, Body 1.70x0.90mm, IPC Medium Density"
  rect 0.7x0.9 smd: 1(-0.7,0) 2(0.7,0)
  body extent -0.85,-0.45 0.85,0.45, height 0.55
S8-2_M [mm] "SOIC, 8-Leads, Body 4.9x3.9mm, Pitch 1.27mm, IPC Low Density"
  oval 2.5x0.7 smd: 1(-2.45,1.905) 2(-2.45,0.635) 3(-2.45,-0.635) 4(-2.45,-1.905) 5(2.45,-1.905) 6(2.45,-0.635) 7(2.45,0.635) 8(2.45,1.905)
  silkscreen extent -2.57,-2.5 0.8,2.93, body extent -2,-2.5 2,2.5, height 1.75
SMB [mm] "SMB diode"
  rect 2.5x2.3 smd: 1(2.15,0) 2(-2.15,0)
  silkscreen extent -3.65,-2 2.45,2, body extent -2.79,-1.97 2.79,1.97, height 2.6
SMP [mm] "SODFL, 2-Leads, Body 2.03x3.85mm, IPC High Density"
  rect 0.8x1.3 smd: 1(-1.65,0)
  rect 2.54x2.76 smd: 2(0.78,0)
  silkscreen extent -1.8,-1.3 2.3,1.3, body extent -1.92,-1.09 1.92,1.09, height 1.15
SOIC127P600X163-8N [mm]
  rect 2.15x0.6 smd: 1(-2.438,1.892) 2(-2.438,0.622) 3(-2.438,-0.648) 4(-2.438,-1.918) 5(2.412,-1.918) 6(2.412,-0.648) 7(2.412,0.622) 8(2.412,1.892)
  silkscreen extent -2.56,-2.51 0.94,2.87, body extent -3,-2.45 3,2.45, height 1.75
SOT23-3 [mm]
  rect 0.5x0.8 smd: 1(-0.95,-1) 2(0.95,-1) 3(0,1)
  silkscreen extent -1.5,-1 1.5,1, body extent -1.5,-1.25 1.5,1.25, height 1.09
SOT23-5N [mm]
  rect 1.15x0.6 smd: 1(-1.3,0.95) 2(-1.3,0) 3(-1.3,-0.95) 4(1.3,-0.95) 5(1.3,0.95)
  silkscreen extent -1.88,-1.45 0.38,1.5, body extent -1.4,-1.45 1.4,1.45, height 1.45
SOT23-6 [mm] "Maxim footprint 90-174"
  rrect50% 1.3x0.55 smd: 1(-1.25,0.95) 2(-1.25,0) 3(-1.25,-0.95) 4(1.25,-0.95) 5(1.25,0) 6(1.25,0.95)
  silkscreen extent -1.4,-1.5 0.8,1.9, body extent -1.4,-1.45 1.4,1.45, height 1.45
SOT-23 [mil] "SOT-23"
  rect 25x45 smd: 1(-37.4,-43.31) 2(37.4,-43.31) 3(0,43.31)
  silkscreen extent -60,-35 60,35
STM-LQFP100_L [mm] "Thin QFP, 100-Leads, Body 14x14mm, Pitch 0.5mm, IPC High Density"
  oval 1.55x0.25 smd: 1(-7.525,6) 2(-7.525,5.5) 3(-7.525,5) 4(-7.525,4.5) 5(-7.525,4) 6(-7.525,3.5) 7(-7.525,3) 8(-7.525,2.5) 9(-7.525,2) 10(-7.525,1.5) 11(-7.525,1) 12(-7.525,0.5) 13(-7.525,0) 14(-7.525,-0.5) 15(-7.525,-1) 16(-7.525,-1.5) 17(-7.525,-2) 18(-7.525,-2.5) 19(-7.525,-3) 20(-7.525,-3.5) 21(-7.525,-4) 22(-7.525,-4.5) 23(-7.525,-5) 24(-7.525,-5.5) 25(-7.525,-6) 51(7.525,-6) 52(7.525,-5.5) 53(7.525,-5) 54(7.525,-4.5) 55(7.525,-4) 56(7.525,-3.5) 57(7.525,-3) 58(7.525,-2.5) 59(7.525,-2) 60(7.525,-1.5) 61(7.525,-1) 62(7.525,-0.5) 63(7.525,0) 64(7.525,0.5) 65(7.525,1) 66(7.525,1.5) 67(7.525,2) 68(7.525,2.5) 69(7.525,3) 70(7.525,3.5) 71(7.525,4) 72(7.525,4.5) 73(7.525,5) 74(7.525,5.5) 75(7.525,6)
  oval 0.25x1.55 smd: 26(-6,-7.525) 27(-5.5,-7.525) 28(-5,-7.525) 29(-4.5,-7.525) 30(-4,-7.525) 31(-3.5,-7.525) 32(-3,-7.525) 33(-2.5,-7.525) 34(-2,-7.525) 35(-1.5,-7.525) 36(-1,-7.525) 37(-0.5,-7.525) 38(0,-7.525) 39(0.5,-7.525) 40(1,-7.525) 41(1.5,-7.525) 42(2,-7.525) 43(2.5,-7.525) 44(3,-7.525) 45(3.5,-7.525) 46(4,-7.525) 47(4.5,-7.525) 48(5,-7.525) 49(5.5,-7.525) 50(6,-7.525) 76(6,7.525) 77(5.5,7.525) 78(5,7.525) 79(4.5,7.525) 80(4,7.525) 81(3.5,7.525) 82(3,7.525) 83(2.5,7.525) 84(2,7.525) 85(1.5,7.525) 86(1,7.525) 87(0.5,7.525) 88(0,7.525) 89(-0.5,7.525) 90(-1,7.525) 91(-1.5,7.525) 92(-2,7.525) 93(-2.5,7.525) 94(-3,7.525) 95(-3.5,7.525) 96(-4,7.525) 97(-4.5,7.525) 98(-5,7.525) 99(-5.5,7.525) 100(-6,7.525)
  silkscreen extent -7.65,-6.35 6.35,6.8, body extent -7,-7 7,7, height 1.6
TAN-A [mil] "TAN-A"
  rect 50x60 smd: 1(55,0) 2(-55,0)
  silkscreen extent -95,-45 105,45, body extent -85,-25 85,25, height 25
"TEST POINT 40 Mil" [mil] "MFG_PN:"
  round 40 smd paste-999 mask+0: 1(0,0)
  silkscreen extent -25,-25 25,25